# Altium PCB 1166V10.PcbDoc (part 5 of 6)
Units mm, origin at the board's own origin, x right, y up, seen from the top; angles counter-clockwise.
Board outline 155.98 x 100 mm, 8 copper layers (Top Layer, Layer 1, Layer 2, Layer 3, Layer 4, Layer 5, Layer 6, Bottom Layer), stack 1.6 mm thick; 455 components, 271 nets, 1649 pads, 2175 vias.
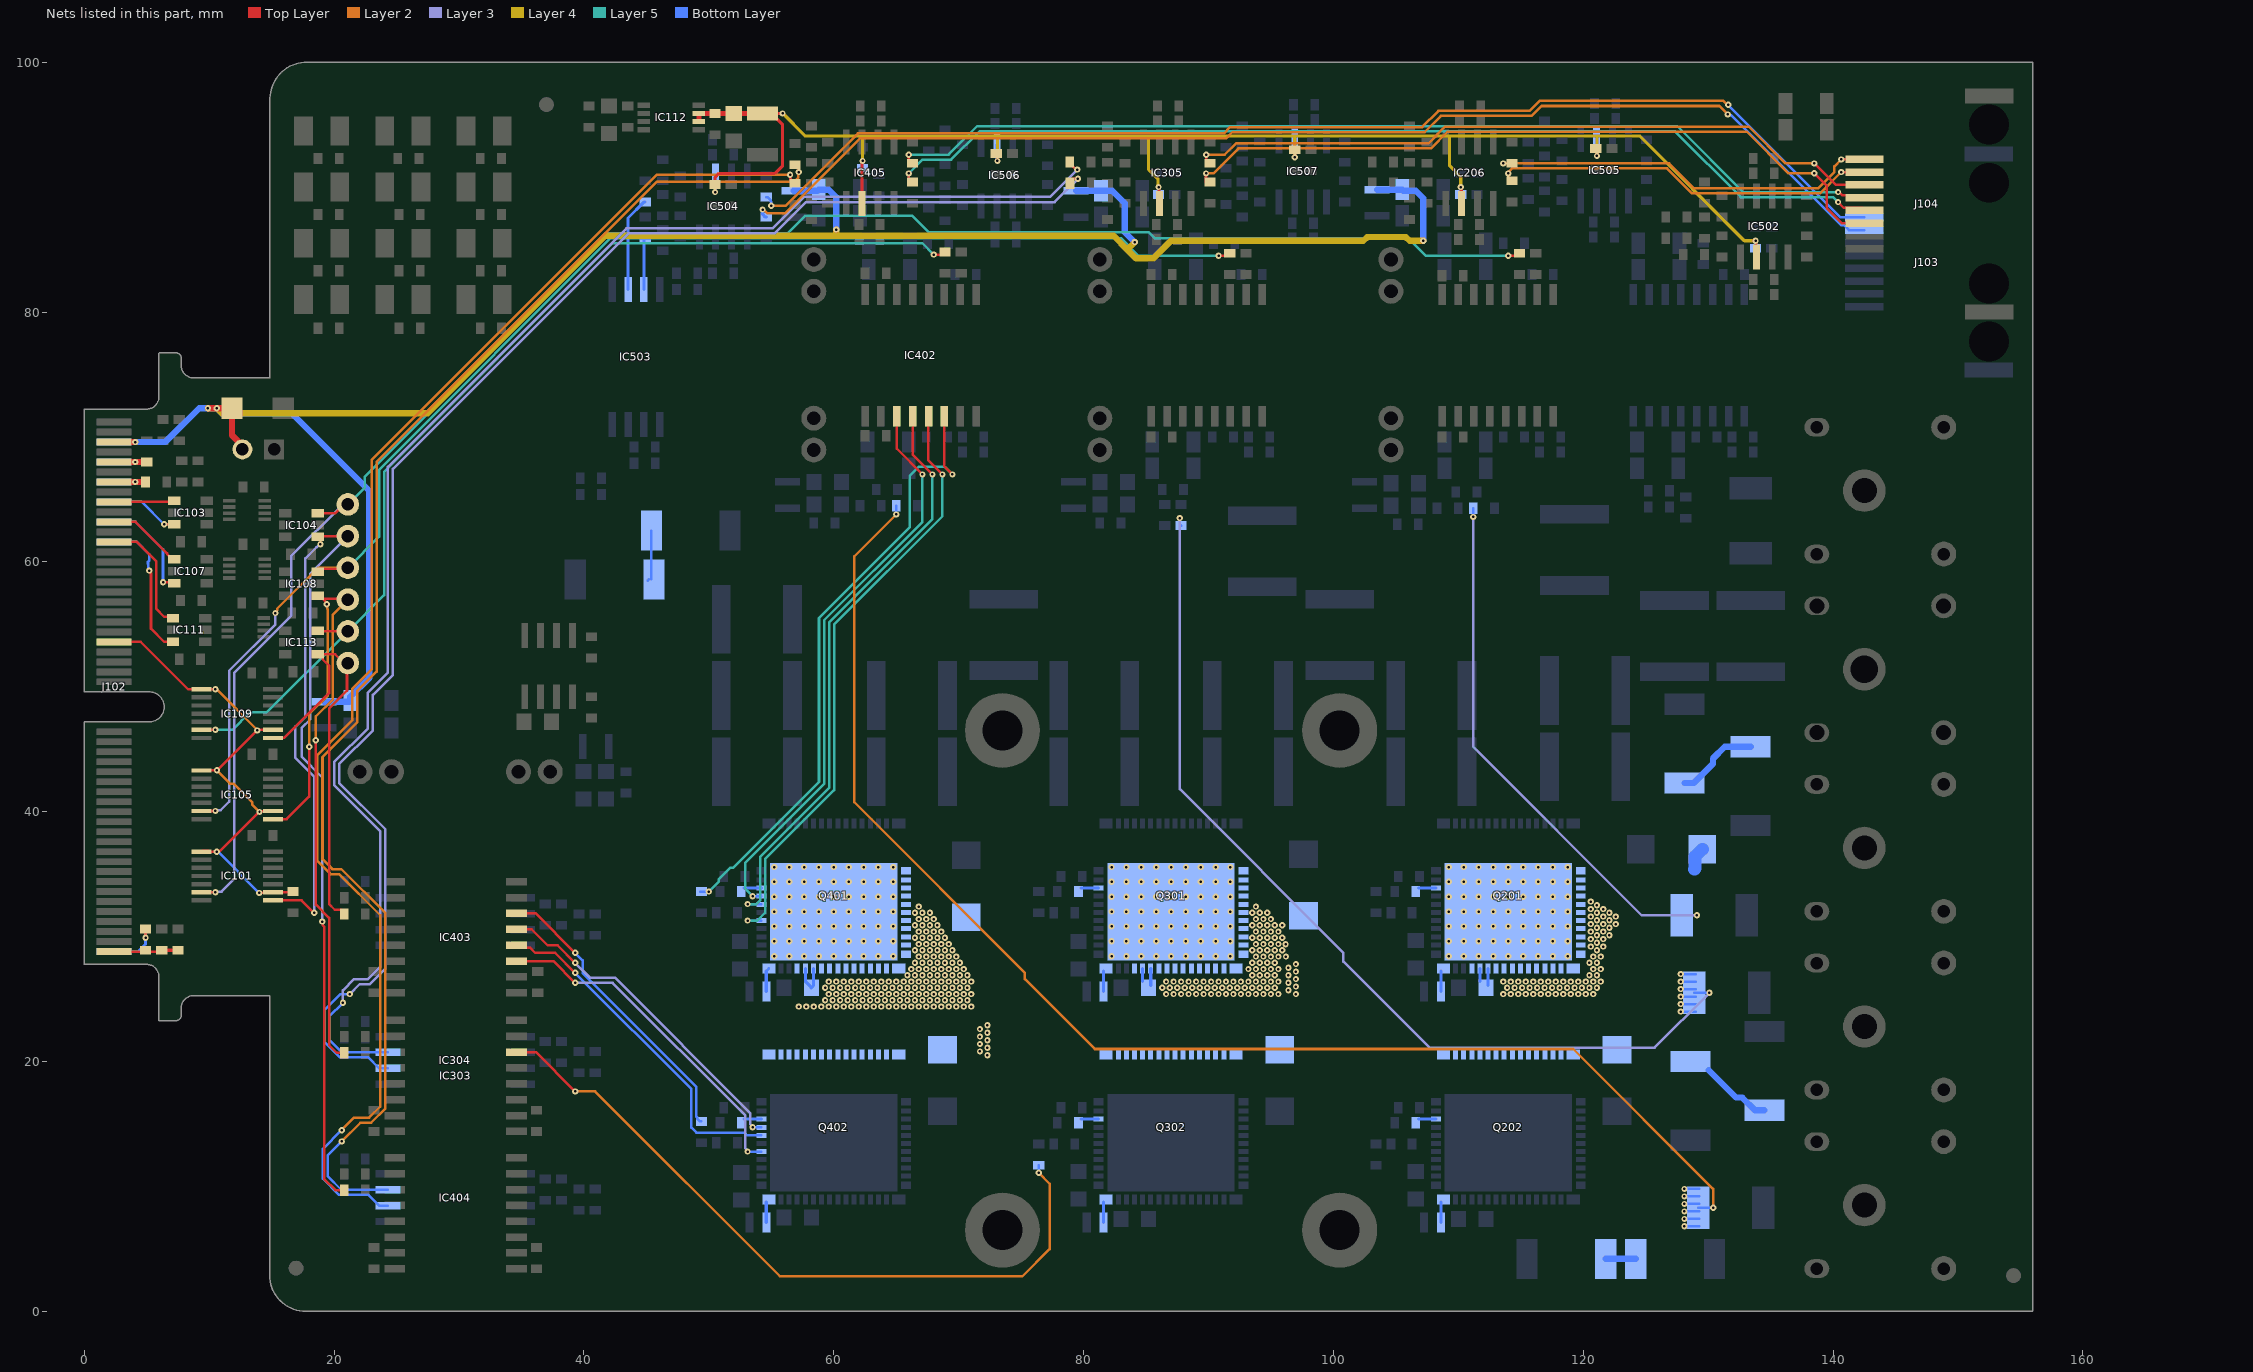
[diagram p11: the nets of this part, all layers, seen from the top]

## Via types
v1: diameter 0.5, hole 0.2, Top Layer to Bottom Layer, 2175 vias

## Nets (pads, with @x,y where several pads share a name; then routed paths per layer and width w, separated by ;. In a path a pad name is that pad's centre, name@x,y a point inside that pad or via, vN(x,y) a via of type N, cw(c..) or ccw(c..) an arc to the next point about the centre after c; other vN are vias at no path point) (continued)
NetIC303_6: IC303.6 R313.2 | length 58.1
  Top Layer w0.203: IC303.6@34.6,20.75 36.15,20.75 v1(39.3,17.6)
  Layer 2 w0.203: v1(39.3,17.6) 40.9,17.6 55.694,2.806 75.106,2.806 77.287,4.987 77.287,10.213 v1(76.4,11.1)
  Bottom Layer w0.203: v1(76.4,11.1) R313.2@76.4,11.7
NetIC304_6: IC304.6 R323.1 | length 123.4
  Top Layer w0.203: R323.1@78.91,90.3 78.91,90.4 79.158,90.648 79.533,90.648 v1(79.548,90.663)
  Layer 3 w0.203: v1(21.255,25.4) 22.048,26.194 22.868,26.194 24.106,27.432 24.106,38.594 20.4,42.3 20.4,43.8 23.106,46.506 23.106,49.357 24.706,50.957 24.706,67.432 43.568,86.294 55.268,86.294 57.775,88.8 77.685,88.8 v1(79.548,90.663)
  Bottom Layer w0.203: v1(21.255,25.4) 20.5,25.4 19.194,24.094 19.194,21.606 20.476,20.324 22.736,20.324 23.6,19.46 IC304.6@24.3,19.46
NetIC304_7: IC304.7 R318.1 | length 122.6
  Top Layer w0.203: R318.1@78.9,92 78.9,91.9 79.343,91.457 79.443,91.457 v1(79.5,91.4)
  Layer 3 w0.203: v1(20.7,24.7) 20.7,25.7 21.6,26.6 22.7,26.6 23.7,27.6 23.7,38.425 19.994,42.132 19.994,43.968 22.7,46.675 22.7,49.525 24.3,51.125 24.3,67.6 43.4,86.7 55.1,86.7 57.615,89.215 77.315,89.215 v1(79.5,91.4)
  Bottom Layer w0.203: v1(20.7,24.7) 19.6,23.6 19.6,21.775 20.645,20.73 IC304.7@24.3,20.73
NetIC402_3: IC402.3 Q401.51 | length 46.1
  Top Layer w0.203: IC402.3@65.04,71.7 65.04,69.06 v1(67.1,67)
  Layer 5 w0.203: v1(53.5,33.235) 52.9,33.835 52.9,35.9 59.222,42.222 59.222,55.322 67.1,63.2 v1(67.1,67)
  Bottom Layer w0.203: v1(53.5,33.235) Q401.51@54.185,33.235
NetIC402_4: IC402.4 Q401.50 | length 47.4
  Top Layer w0.203: IC402.4@66.31,71.7 66.31,68.59 v1(67.9,67)
  Layer 5 w0.203: v1(53.1,32.6) 53.8,32.6 54.1,32.9 54.1,36.375 59.629,41.904 59.629,55.154 67.9,63.425 v1(67.9,67)
  Bottom Layer w0.203: v1(53.1,32.6) 54.185,32.6 Q401.50@54.2,32.585
NetIC402_5: IC402.5 Q401.48 | length 48.9
  Top Layer w0.203: IC402.5@67.58,71.7 67.58,68.12 v1(68.7,67)
  Layer 5 w0.203: v1(53.1,31.285) 53.885,31.285 54.506,31.906 54.506,36.206 60.035,41.735 60.035,54.986 68.7,63.651 v1(68.7,67)
  Bottom Layer w0.203: v1(53.1,31.285) Q401.48@54.185,31.285
NetIC402_6: IC402.6 R406.2 | length 49.7
  Top Layer w0.203: IC402.6@68.875,71.675 68.85,71.7 68.85,67.65 v1(69.5,67)
  Layer 5 w0.203: v1(50,33.6) 50.778,34.378 50.778,34.578 51.7,35.5 51.925,35.5 58.816,42.391 58.816,55.491 66.1,62.775 66.1,66.9 66.8,67.6 68.9,67.6 v1(69.5,67)
  Bottom Layer w0.203: R406.2@49.3,33.6 R406.2@49.4,33.6 v1(50,33.6)
NetIC403_3: IC403.3 Q402.48 | length 27.5
  Top Layer w0.203: IC403.3@34.6,28.04 37.56,28.04 v1(39.3,26.3)
  Layer 3 w0.203: v1(39.3,26.3) 42.3,26.3 52.9,15.7 52.9,13.065 53.1,12.865 v1(53.1,12.785)
  Bottom Layer w0.203: v1(53.1,12.785) Q402.48@54.185,12.785
NetIC403_4: IC403.4 Q402.50 | length 27.7
  Top Layer w0.203: IC403.4@34.6,29.31 34.798,29.112 35.688,29.112 36.1,28.7 37.7,28.7 v1(39.3,27.1)
  Bottom Layer w0.203: v1(39.3,27.1) 48.6,17.8 48.6,14.7 49,14.3 52.82,14.3 53.02,14.1 53.1,14.1 54.185,14.1 Q402.50@54.2,14.085
NetIC403_5: IC403.5 Q402.51 | length 26.7
  Top Layer w0.203: IC403.5@34.6,30.58 35.82,30.58 37.1,29.3 37.9,29.3 v1(39.3,27.9)
  Layer 3 w0.203: v1(39.3,27.9) 40.494,26.706 42.468,26.706 53.306,15.868 53.306,15.009 53.5,14.815 v1(53.5,14.735)
  Bottom Layer w0.203: v1(53.5,14.735) Q402.51@54.185,14.735
NetIC403_6: IC403.6 R413.2 | length 23.7
  Top Layer w0.203: IC403.6@34.6,31.85 36.15,31.85 v1(39.3,28.7)
  Bottom Layer w0.203: v1(39.3,28.7) 39.9,28.1 39.9,27.075 49.006,17.968 49.006,15.594 49.052,15.548 49.052,15.448 49.3,15.2 R413.2@49.4,15.2
NetIC404_6: IC404.6 R423.1 | length 114.4
  Top Layer w0.203: v1(56.5,90.997) 56.5,90.7 56.552,90.648 56.552,90.548 56.8,90.3 R423.1@56.9,90.3
  Layer 2 w0.203: v1(20.6,14.5) 21.6,15.5 22.8,15.5 23.694,16.394 23.694,31.706 20.4,35 19.7,35 18.662,36.038 18.662,44.537 21.462,47.337 21.462,49.851 23,51.389 23,68.154 45.842,90.997 v1(56.5,90.997)
  Bottom Layer w0.203: v1(20.6,14.5) 19.094,12.994 19.094,10.632 20.402,9.324 22.736,9.324 23.6,8.46 IC404.6@24.3,8.46
NetIC404_7: IC404.7 R418.1 | length 113.5
  Top Layer w0.203: R418.1@56.9,91.8 56.952,91.8 57.2,91.552 v1(57.2,91.2)
  Layer 2 w0.203: v1(20.6,13.6) 22.094,15.094 22.968,15.094 24.1,16.225 24.1,31.875 20.568,35.406 19.868,35.406 19.068,36.207 19.068,44.368 21.868,47.168 21.868,49.683 23.406,51.221 23.406,67.986 45.862,90.442 56.842,90.442 57.143,90.743 57.143,91.143 v1(57.2,91.2)
  Bottom Layer w0.203: v1(20.6,13.6) 19.5,12.5 19.5,10.8 20.57,9.73 IC404.7@24.3,9.73
NetIC503_6: IC503.6 R521.1 | length 7.6
  Bottom Layer w0.254: IC503.6@43.53,81.8 43.53,87.53 44.8,88.8 R521.1@44.9,88.8
NetIC503_7: IC503.7 R515.1 | length 4.1
  Bottom Layer w0.254: IC503.7@44.8,81.8 44.8,85.8 R515.1@44.9,85.9
NetJ102_99: J102.99 R102.2 R103.1 R104.2 | length 5.2
  Top Layer w0.203: J102.99@2.386,28.796 6.096,28.796 R102.2@6.2,28.9
  Top Layer w0.254: R102.2@6.2,28.9 R104.2@7.5,28.9
NetJ102_100: J102.100 R103.2 | length 4
  Top Layer w0.203: v1(4.9,29.9) R103.2@4.9,30.6
  Bottom Layer w0.203: J102.100@2.386,28.796 4.296,28.796 4.9,29.4 v1(4.9,29.9)
NetL203_2: L203.2 Q201.43 | length 1.6
  Bottom Layer w0.254: L203.2@108.6,25.6 Q201.43@108.6,27.25
NetL206_2: L206.2 Q202.43 | length 1.6
  Bottom Layer w0.254: L206.2@108.6,7.1 Q202.43@108.6,8.75
NetL303_2: L303.2 Q301.43 | length 1.6
  Bottom Layer w0.254: L303.2@81.6,25.6 Q301.43@81.6,27.25
NetL304_2: L304.2 Q302.43 | length 1.6
  Bottom Layer w0.254: L304.2@81.6,7.1 Q302.43@81.6,8.75
NetL403_2: L403.2 Q401.43 | length 1.9
  Bottom Layer w0.203: Q401.43@54.6,27.25 Q401.43@54.8,27.45
  Bottom Layer w0.254: L403.2@54.6,25.6 Q401.43@54.6,27.25
NetL404_2: L404.2 Q402.43 | length 1.6
  Bottom Layer w0.254: L404.2@54.6,7.1 Q402.43@54.6,8.75
NetQ201_52: Q201.52 R205.1 | length 1.4
  Bottom Layer w0.254: R205.1@106.8,33.885 Q201.52@108.2,33.885
NetQ202_52: Q202.52 R212.1 | length 1.4
  Bottom Layer w0.254: R212.1@106.8,15.385 Q202.52@108.2,15.385
NetQ301_52: Q301.52 R305.1 | length 1.4
  Bottom Layer w0.254: R305.1@79.8,33.885 Q301.52@81.2,33.885
NetQ302_52: Q302.52 R312.1 | length 1.4
  Bottom Layer w0.254: R312.1@79.8,15.385 Q302.52@81.2,15.385
NetQ401_52: Q401.52 R405.1 | length 1.4
  Bottom Layer w0.254: R405.1@52.8,33.885 Q401.52@54.2,33.885
NetQ402_52: Q402.52 R412.1 | length 1.4
  Bottom Layer w0.254: R412.1@52.8,15.385 Q402.52@54.2,15.385
NetR219_2: R219.2 R220.1 | length 6.7
  Bottom Layer w0.508: R219.2@128.1,42.3 128.85,42.3 130.387,43.837 130.387,44.259 131.328,45.2 R220.1@133.4,45.2
NetR319_2: R319.2 R320.1 | length 5.8
  Bottom Layer w0.508: R319.2@130.046,19.304 132.239,17.111 132.739,17.111 133.75,16.1 R320.1@134.5,16.1
NetR419_2: R419.2 R420.1 | length 2.4
  Bottom Layer w0.508: R419.2@121.8,4.2 R420.1@124.2,4.2
NetR511_1: R511.1 R512.2 | length 4
  Bottom Layer w0.203: R512.2@45.1,58.5 R512.2@45.2,58.6 ; R512.2@45.4,58.6 R511.1@45.4,62.5
P3V3: J102.13 J102.14 L103.1 | length 4.2
  Top Layer w0.508: J102.13@2.386,66.395 2.389,66.398 4.898,66.398 L103.1@4.9,66.4
  Bottom Layer w0.508: J102.14@2.386,66.395 v1@4.069,66.395
  other v1: 4.071,66.393
P5V: J102.9 J102.10 L102.1 | length 4.3
  Top Layer w0.508: J102.9@2.386,67.995 2.389,67.998 4.998,67.998 L102.1@5,68
  Bottom Layer w0.508: J102.10@2.386,67.995 v1@4.069,67.995
  other v1: 4.071,67.993
P24V: C206.2 C222.2 C306.2 C406.2 D101.2 J101.2 J102.5 J102.6 L201.1 L204.1 L301.1 L401.1 | length 178.8
  Top Layer w0.254: v1@4.069,69.595 v1(4.071,69.593)
  Top Layer w0.508: J102.5@2.386,69.595 v1@4.069,69.595 ; v1(9.9,72.3) v1(10.6,72.3) D101.2@11.823,72.3 11.823,70.132 12.66,69.295 J101.2@12.66,69
  Layer 4 w0.508: v1(9.9,72.3) v1(10.6,72.3) 11,71.9 27.5,71.9 41.7,86.1 60.2,86.1 ; v1(60.2,86.6) 60.2,86.1 ; v1(84.1,85.6) 83.5,85 ; v1(107.2,85.7) 106.1,85.7 105.8,86 102.7,86 102.4,85.7 87,85.7 85.6,84.3 84.2,84.3 83.5,85 ; 60.2,86.1 82.4,86.1 83.5,85
  Bottom Layer w0.254: v1@4.069,69.595 v1(4.071,69.593)
  Bottom Layer w0.508: J102.6@2.386,69.595 v1@4.069,69.595 ; v1(4.071,69.593) 6.493,69.593 9.2,72.3 v1(9.9,72.3) v1(10.6,72.3) 11,71.9 16.6,71.9 22.8,65.7 22.8,50.7 21.3,49.2 C222.2@21.3,48.9 21.2,48.8 L204.1@19.2,48.8 ; L401.1@56.8,89.7 58.7,89.7 C406.2@58.8,89.8 59.6,89.8 60.2,89.2 v1(60.2,86.6) ; L301.1@79.4,89.7 C306.2@81.4,89.7 82.3,89.7 83.3,88.7 83.3,86.4 v1(84.1,85.6) ; L201.1@103.5,89.8 C206.2@105.5,89.8 105.6,89.7 106.6,89.7 107.2,89.1 v1(107.2,85.7)
PWM_EN: IC101.1 IC101.9 IC105.1 IC105.9 IC109.1 IC109.9 J102.45 R101.1 | length 41
  Top Layer w0.203: J102.45@2.386,53.596 4.52,53.596 8.315,49.8 IC109.1@9.4,49.8 9.402,49.802 10.498,49.802 v1(10.5,49.803) ; IC101.1@9.4,36.8 9.473,36.873 9.873,36.873 9.947,36.8 v1(10.6,36.8) 10.657,36.857 10.857,36.857 13.975,39.975 v1(14.025,39.975) ; IC105.1@9.4,43.3 10.6,43.3 10.624,43.3 13.822,46.499 v1(13.846,46.499) ; v1@13.85,46.55 IC109.9@15.1,46.55 ; v1(14,33.497) 14.027,33.523 15.073,33.523 IC101.9@15.1,33.55 16.65,33.55 R101.1@16.7,33.6 ; v1@14,40 14.025,40.025 15.075,40.025 IC105.9@15.1,40.05
  Layer 2 w0.203: v1(10.5,49.803) 10.557,49.746 10.654,49.746 13.846,46.554 v1(13.846,46.499) ; v1(10.617,43.317) 10.617,43.283 11.657,42.243 11.942,42.243 13.455,40.729 13.455,40.545 v1(14.025,39.975)
  Bottom Layer w0.203: v1(10.6,36.8) 10.7,36.8 14,33.5 v1(14,33.497)
PWM_H1: IC101.6 IC104.3 R208.2 TP101.1 | length 145
  Top Layer w0.203: IC101.6@9.4,33.55 v1(10.5,33.55) ; IC104.3@18.691,63.9 20.096,63.9 20.796,64.6 TP101.1@21.1,64.6 ; v1(114,84.5) 114.7,84.5 R208.2@114.9,84.7
  Layer 3 w0.203: v1(10.5,33.55) 10.557,33.607 10.991,33.607 12,34.615 12,51.112 16.558,55.67 16.558,60.458 20.7,64.6 TP101.1@21.1,64.6
  Layer 5 w0.203: TP101.1@21.1,64.6 22.465,65.965 22.465,66.815 41.968,86.318 56.318,86.318 57.7,87.7 66.3,87.7 67.6,86.4 85.2,86.4 85.7,85.9 106,85.9 107.4,84.5 v1(114,84.5)
PWM_H1#: IC103.1 J102.17 | length 4.9
  Top Layer w0.203: J102.17@2.386,64.796 7.096,64.796 IC103.1@7.2,64.9
PWM_H2: IC105.6 IC108.3 R308.2 TP103.1 | length 114.4
  Top Layer w0.203: IC105.6@9.4,40.05 9.402,40.052 10.498,40.052 v1(10.5,40.055) ; IC108.3@18.691,59.2 18.932,59.441 21.021,59.441 TP103.1@21.1,59.52 ; v1(90.8,84.5) 91.5,84.5 R308.2@91.7,84.7
  Layer 2 w0.203: v1(15.3,55.9) 15.3,55.98 15.448,56.129 15.448,56.248 18.72,59.52 TP103.1@21.1,59.52
  Layer 3 w0.203: v1(10.5,40.055) 10.557,40.112 10.912,40.112 11.594,40.794 11.594,51.281 15.3,54.987 v1(15.3,55.9)
  Layer 5 w0.203: TP103.1@21.1,59.52 23.594,62.014 23.594,67.368 42.136,85.911 82.989,85.911 84.4,84.5 v1(90.8,84.5)
PWM_H2#: IC107.1 J102.21 | length 6.1
  Top Layer w0.203: J102.21@2.386,63.196 4.104,63.196 6.624,60.676 6.624,60.624 7.048,60.2 IC107.1@7.2,60.2
PWM_H3: IC109.6 IC113.3 R408.2 TP105.1 | length 84.3
  Top Layer w0.203: IC109.6@9.4,46.55 v1(10.5,46.55) ; IC113.3@18.691,54.5 18.751,54.44 TP105.1@21.1,54.44 ; v1(68,84.6) 68.7,84.6 R408.2@68.9,84.8
  Layer 5 w0.203: v1(10.5,46.55) 11.85,46.55 13.242,47.942 14.602,47.942 TP105.1@21.1,54.44 24,57.34 24,67.2 42.305,85.505 67.095,85.505 v1(68,84.6)
PWM_H3#: IC111.1 J102.25 | length 9.5
  Top Layer w0.203: J102.25@2.386,61.596 4.204,61.596 5.745,60.055 5.745,56.255 6.4,55.6 7,55.6 IC111.1@7.1,55.5
PWM_L1: IC101.8 IC104.1 R214.2 TP102.1 | length 93.5
  Top Layer w0.203: IC101.8@15.1,32.9 17.4,32.9 v1(18.4,31.9) ; v1(18.9,61.4) 18.9,61.786 IC104.1@18.691,61.995 18.756,62.06 TP102.1@21.1,62.06 ; v1(19.045,31.2) 19.102,31.143 19.102,30.892 19.194,30.8 19.194,10.606 20.1,9.7 R214.2@20.8,9.7
  Layer 3 w0.203: v1(18.4,31.9) 18.4,42.8 16.9,44.3 16.9,46.8 17.7,47.6 17.7,60.285 18.57,61.155 18.574,61.155 18.82,61.4 v1(18.9,61.4) ; v1(19.045,31.2) 19.045,42.755 17.4,44.4 17.4,46.7 18.1,47.4 18.1,59.06 TP102.1@21.1,62.06
PWM_L1#: IC103.3 J102.18 | length 5.6
  Top Layer w0.203: v1(6.4,63) 6.405,62.995 IC103.3@7.2,62.995
  Bottom Layer w0.203: J102.18@2.386,64.796 4.604,64.796 v1(6.4,63)
PWM_L2: IC105.8 IC108.1 R314.2 TP104.1 | length 61.5
  Top Layer w0.203: IC105.8@15.1,39.4 16.197,39.4 18,41.203 v1(18,45.2) ; v1(18.53,45.715) 18.545,45.7 18.545,32.555 19.6,31.5 19.6,21.3 20.2,20.7 R314.2@20.8,20.7 ; IC108.1@18.691,57.295 18.843,57.295 IC108.1@19.085,57.054 ; v1(19.4,56.6) 19.343,56.657 19.343,56.795 IC108.1@19.085,57.054 ; TP104.1@21.1,56.98 21.026,57.054 IC108.1@19.085,57.054
  Layer 2 w0.203: v1(18,45.2) 18,47.8 19.5,49.3 19.5,56.2 19.457,56.243 19.457,56.543 v1(19.4,56.6) ; v1(18.53,45.715) 18.53,47.63 19.895,48.995 19.895,55.775 TP104.1@21.1,56.98
PWM_L2#: IC107.3 J102.22 | length 8.4
  Top Layer w0.203: v1(6.3,58.359) 7.136,58.359 IC107.3@7.2,58.295
  Bottom Layer w0.203: J102.22@2.386,63.196 4.104,63.196 6.3,61 v1(6.3,58.359)
PWM_L3: IC109.8 IC113.1 R414.2 TP106.1 | length 33.6
  Top Layer w0.203: IC109.8@15.1,45.9 16,45.9 19.6,49.5 19.6,51.686 19.085,52.201 19.085,52.354 IC113.1@18.843,52.595 ; IC113.1@18.691,52.595 IC113.1@18.843,52.595 ; R414.2@20.8,31.8 20.8,31.9 20.552,32.148 20.052,32.148 19.6,32.6 19.6,48.261 21.029,49.69 21.029,51.829 TP106.1@21.1,51.9 20.786,51.9 20.091,52.595 IC113.1@18.843,52.595
PWM_L3#: IC111.3 J102.26 | length 11.5
  Top Layer w0.203: v1(5.19,59.306) 5.19,59.226 5.339,59.077 5.339,54.661 6.4,53.6 7.095,53.6 IC111.3@7.1,53.595
  Bottom Layer w0.203: J102.26@2.386,61.596 4.204,61.596 5.2,60.6 5.2,60.09 5.1,59.99 5.1,59.849 5.134,59.815 5.134,59.363 v1(5.19,59.306)
Ref_2V5: C103.2 C104.2 C105.2 CF210.1 CF307.1 CF407.1 CF501.1 CF507.1 CF509.1 CF511.1 CF513.1 IC112.6 IC112.7 IC206.2 IC305.2 IC405.2 IC502.2 IC504.2 IC505.2 IC506.2 IC507.2 | length 134.2
  Top Layer w0.254: v1(50.5,89.607) 50.5,90.8 50.8,91.1 55.3,91.1 55.9,91.7 55.9,95 C105.2@55,95.9 ; C105.2@54.3,95.9 C105.2@55,95.9 ; v1(55.9,95.9) C105.2@55,95.9 ; IC405.2@62.27,88.7 62.27,92.07 v1(62.3,92.1) ; CF511.1@73,92.7 73.1,92.6 v1(73.1,92.1) ; v1(86,90) 86.035,89.965 86.035,88.735 IC305.2@86.07,88.7 ; v1(96.9,92.4) CF513.1@96.9,93 ; v1(110.2,90) 110.23,89.97 110.23,88.73 IC206.2@110.26,88.7 ; CF509.1@121,93.1 121.1,93 v1(121.1,92.5) ; v1(133.8,85.7) 133.83,85.67 133.83,84.43 IC502.2@133.86,84.4
  Top Layer w0.381: IC112.6@49.2,95.25 IC112.7@49.2,95.9 C104.2@50.5,95.9 C103.2@52,95.9 C105.2@54.3,95.9
  Layer 4 w0.254: v1(55.9,95.9) 57.7,94.1 62.3,94.1 ; v1(62.3,92.1) 62.3,94.1 ; v1(73.1,92.1) 73.1,94.1 ; v1(86,90) 85.969,90.031 85.969,90.631 85.2,91.4 85.2,94.1 ; v1(96.9,92.4) 96.9,94.1 ; v1(110.2,90) 110.2,90.8 109.3,91.7 109.3,94.1 ; v1(121.1,92.5) 121.1,94 121,94.1 ; v1(133.8,85.7) 132.9,85.7 124.5,94.1 121,94.1 ; 62.3,94.1 73.1,94.1 ; 73.1,94.1 85.2,94.1 ; 85.2,94.1 96.9,94.1 ; 96.9,94.1 109.3,94.1 ; 109.3,94.1 121,94.1
  Bottom Layer w0.254: v1(50.5,89.607) 50.515,89.622 50.515,90.885 IC504.2@50.53,90.9 ; CF407.1@62.3,91.5 v1(62.3,92.1) ; IC506.2@73.06,93.4 73.1,93.36 73.08,93.34 73.08,92.12 v1(73.1,92.1) ; CF307.1@86,89.4 v1(86,90) ; v1(96.9,92.4) IC507.2@96.9,93.7 ; CF210.1@110.2,89.4 v1(110.2,90) ; IC505.2@121.07,93.8 121.085,93.785 121.085,92.515 v1(121.1,92.5) ; CF501.1@133.8,85.1 v1(133.8,85.7)
SW_L1: C210.1 D201.1 D206.2 Q201.17 Q201.18 Q201.19 Q201.20 Q201.21 Q201.22 Q201.23 Q201.24 Q201.25 Q201.26 Q201.27 Q201.28 Q201.29 Q201.30 Q201.31 Q201.32 Q201.33 Q201.34 Q201.35 Q201.36 Q201.37 Q201.38 Q201.39 Q201.40 Q201.55 Q202.1 Q202.2 Q202.3 Q202.4 Q202.5 Q202.6 Q202.7 Q202.8 Q202.9 Q202.10 Q202.11 Q202.12 Q202.13 Q202.14 Q202.15 Q202.16 R209.1 R211.1 | length 48.1
  Layer 3 w0.203: v1(111.2,63.6) 111.2,45.184 124.684,31.7 v1(129.1,31.7)
  Bottom Layer w0.203: v1(111.2,63.6) R209.1@111.2,64.3 ; R211.1@127.9,31.7 v1(129.1,31.7)
  Bottom Layer w0.254: C210.1@111.725,26.425 Q201.39@111.725,27.45 ; C210.1@112.375,26.075 Q201.38@112.375,27.45
  Bottom Layer w1.016: 128.9,35.4 128.948,35.448 128.948,36.408 D201.1@129.54,37
  other v1: 113.6,25.4 114.2,25.4 114.8,25.4 115.4,25.4 116,25.4 116.6,25.4 117.2,25.4 117.8,25.4 118.4,25.4 119,25.4 119.6,25.4 120.2,25.4 120.8,25.4 113.9,25.9 114.5,25.9 115.1,25.9 115.7,25.9 116.3,25.9 116.9,25.9 117.5,25.9 118.1,25.9 118.7,25.9 119.3,25.9 119.9,25.9 120.5,25.9 121.1,25.9 113.6,26.4 114.2,26.4 114.8,26.4 115.4,26.4 116,26.4 116.6,26.4 117.2,26.4 117.8,26.4 118.4,26.4 119,26.4 119.6,26.4 120.2,26.4 120.8,26.4 121.4,26.4 120.5,26.9 121.1,26.9 120.8,27.4 121.4,27.4 120.5,27.9 121.1,27.9 120.8,28.4 121.4,28.4 109.24,28.43 110.43,28.43 111.62,28.43 112.81,28.43 114,28.43 115.19,28.43 116.38,28.43 117.57,28.43 118.76,28.43 121.1,28.9 120.6,29.2 121.6,29.2 121.1,29.5 109.24,29.62 110.43,29.62 111.62,29.62 112.81,29.62 114,29.62 115.19,29.62 116.38,29.62 117.57,29.62 118.76,29.62 120.6,29.8 121.6,29.8 121.1,30.1 122.1,30.1 120.6,30.4 121.6,30.4 121.1,30.7 122.1,30.7 109.24,30.81 110.43,30.81 111.62,30.81 112.81,30.81 114,30.81 115.19,30.81 116.38,30.81 117.57,30.81 118.76,30.81 120.6,31 121.6,31 122.6,31 121.1,31.3 122.1,31.3 120.6,31.6 121.6,31.6 122.6,31.6 121.1,31.9 122.1,31.9 109.24,32 110.43,32 111.62,32 112.81,32 114,32 115.19,32 116.38,32 117.57,32 118.76,32 120.6,32.2 121.6,32.2 121.1,32.5 120.6,32.8 109.24,33.19 110.43,33.19 111.62,33.19 112.81,33.19 114,33.19 115.19,33.19 116.38,33.19 117.57,33.19 118.76,33.19 109.24,34.38 110.43,34.38 111.62,34.38 112.81,34.38 114,34.38 115.19,34.38 116.38,34.38 117.57,34.38 118.76,34.38 109.24,35.57 110.43,35.57 111.62,35.57 112.81,35.57 114,35.57 115.19,35.57 116.38,35.57 117.57,35.57 118.76,35.57
SW_L2: C310.2 D301.1 D306.2 Q301.17 Q301.18 Q301.19 Q301.20 Q301.21 Q301.22 Q301.23 Q301.24 Q301.25 Q301.26 Q301.27 Q301.28 Q301.29 Q301.30 Q301.31 Q301.32 Q301.33 Q301.34 Q301.35 Q301.36 Q301.37 Q301.38 Q301.39 Q301.40 Q301.55 Q302.1 Q302.2 Q302.3 Q302.4 Q302.5 Q302.6 Q302.7 Q302.8 Q302.9 Q302.10 Q302.11 Q302.12 Q302.13 Q302.14 Q302.15 Q302.16 R309.1 R311.1 | length 86.3
  Layer 3 w0.203: v1(87.7,63.5) 87.7,41.8 100.8,28.7 100.8,28 107.694,21.106 125.706,21.106 v1(130.1,25.5)
  Bottom Layer w0.203: v1(87.7,63.5) 87.7,63 R309.1@87.8,62.9 ; v1(127.8,24) R311.1@129,24 ; v1(127.8,24.6) R311.1@129,24.6 ; v1(127.8,25.2) R311.1@129,25.2 ; v1(127.8,25.8) R311.1@129,25.8 ; v1(127.8,26.4) R311.1@129,26.4 ; v1(127.8,27) R311.1@129,27 ; R311.1@128.9,25.5 v1(130.1,25.5)
  Bottom Layer w0.254: C310.2@84.725,26.425 Q301.39@84.725,27.45 ; C310.2@85.375,26.075 Q301.38@85.375,27.45
  other v1: 86.6,25.4 87.2,25.4 87.8,25.4 88.4,25.4 89,25.4 89.6,25.4 90.2,25.4 90.8,25.4 91.4,25.4 92,25.4 92.6,25.4 93.2,25.4 93.8,25.4 94.4,25.4 95,25.4 95.6,25.4 97,25.4 96.4,25.7 86.3,25.9 86.9,25.9 87.5,25.9 88.1,25.9 88.7,25.9 89.3,25.9 89.9,25.9 90.5,25.9 91.1,25.9 91.7,25.9 92.3,25.9 92.9,25.9 93.5,25.9 94.1,25.9 94.7,25.9 95.3,25.9 97,26 96.4,26.3 86.6,26.4 87.2,26.4 87.8,26.4 88.4,26.4 89,26.4 89.6,26.4 90.2,26.4 90.8,26.4 91.4,26.4 92,26.4 92.6,26.4 93.2,26.4 93.8,26.4 94.4,26.4 95,26.4 95.6,26.4 97,26.6 93.5,26.9 94.1,26.9 94.7,26.9 95.3,26.9 96.4,26.9 97,27.2 93.2,27.4 93.8,27.4 94.4,27.4 95,27.4 95.6,27.4 96.4,27.5 97,27.8 93.5,27.9 94.1,27.9 94.7,27.9 95.3,27.9 93.8,28.4 94.4,28.4 95,28.4 95.6,28.4 96.2,28.4 82.24,28.43 83.43,28.43 84.62,28.43 85.81,28.43 87,28.43 88.19,28.43 89.38,28.43 90.57,28.43 91.76,28.43 93.5,28.9 94.1,28.9 94.7,28.9 95.3,28.9 95.9,28.9 93.8,29.4 94.4,29.4 95,29.4 95.6,29.4 96.164,29.39 82.24,29.62 83.43,29.62 84.62,29.62 85.81,29.62 87,29.62 88.19,29.62 89.38,29.62 90.57,29.62 91.76,29.62 93.5,29.9 94.1,29.9 94.7,29.9 95.3,29.9 95.9,29.9 93.8,30.4 94.4,30.4 95,30.4 95.6,30.4 82.24,30.81 83.43,30.81 84.62,30.81 85.81,30.81 87,30.81 88.19,30.81 89.38,30.81 90.57,30.81 91.76,30.81 93.5,30.9 94.1,30.9 94.7,30.9 95.3,30.9 95.9,30.9 93.8,31.4 94.4,31.4 95,31.4 93.5,31.9 94.1,31.9 94.7,31.9 82.24,32 83.43,32 84.62,32 85.81,32 87,32 88.19,32 89.38,32 90.57,32 91.76,32 93.8,32.4 82.24,33.19 83.43,33.19 84.62,33.19 85.81,33.19 87,33.19 88.19,33.19 89.38,33.19 90.57,33.19 91.76,33.19 82.24,34.38 83.43,34.38 84.62,34.38 85.81,34.38 87,34.38 88.19,34.38 89.38,34.38 90.57,34.38 91.76,34.38 82.24,35.57 83.43,35.57 84.62,35.57 85.81,35.57 87,35.57 88.19,35.57 89.38,35.57 90.57,35.57 91.76,35.57
SW_L3: C410.2 D401.1 D406.2 Q401.17 Q401.18 Q401.19 Q401.20 Q401.21 Q401.22 Q401.23 Q401.24 Q401.25 Q401.26 Q401.27 Q401.28 Q401.29 Q401.30 Q401.31 Q401.32 Q401.33 Q401.34 Q401.35 Q401.36 Q401.37 Q401.38 Q401.39 Q401.40 Q401.55 Q402.1 Q402.2 Q402.3 Q402.4 Q402.5 Q402.6 Q402.7 Q402.8 Q402.9 Q402.10 Q402.11 Q402.12 Q402.13 Q402.14 Q402.15 Q402.16 R409.1 R411.1 | length 120.3
  Layer 2 w0.203: v1(65,63.8) 61.648,60.448 61.648,40.752 75.3,27.1 75.3,26.6 80.9,21 119.2,21 130.4,9.8 v1(130.4,8.3)
  Bottom Layer w0.203: v1(65,63.8) R409.1@65,64.5 ; v1(128.1,6.8) R411.1@129.3,6.8 ; v1(128.1,7.4) R411.1@129.3,7.4 ; v1(128.1,8) R411.1@129.3,8 ; v1(128.1,8.6) R411.1@129.3,8.6 ; v1(128.1,9.2) R411.1@129.3,9.2 ; v1(128.1,9.8) R411.1@129.3,9.8 ; R411.1@129.2,8.3 v1(130.4,8.3)
  Bottom Layer w0.254: Q401.39@57.725,27.45 57.725,26.425 58.2,25.95 C410.2@58.2,25.9 58.375,26.075 Q401.38@58.375,27.45
  other v1: 72.3,20.5 71.7,20.8 72.3,21.1 71.7,21.4 72.3,21.7 71.7,22 72.3,22.3 71.7,22.6 72.3,22.9 57.2,24.4 57.8,24.4 58.4,24.4 59,24.4 59.6,24.4 60.2,24.4 60.8,24.4 61.4,24.4 62,24.4 62.6,24.4 63.2,24.4 63.8,24.4 64.4,24.4 65,24.4 65.6,24.4 66.2,24.4 66.8,24.4 67.4,24.4 68,24.4 68.6,24.4 69.2,24.4 69.8,24.4 70.4,24.4 71,24.4 59.3,24.9 59.9,24.9 60.5,24.9 61.1,24.9 61.7,24.9 62.3,24.9 62.9,24.9 63.5,24.9 64.1,24.9 64.7,24.9 65.3,24.9 65.9,24.9 66.5,24.9 67.1,24.9 67.7,24.9 68.3,24.9 68.9,24.9 69.5,24.9 70.1,24.9 70.7,24.9 59.6,25.4 60.2,25.4 60.8,25.4 61.4,25.4 62,25.4 62.6,25.4 63.2,25.4 63.8,25.4 64.4,25.4 65,25.4 65.6,25.4 66.2,25.4 66.8,25.4 67.4,25.4 68,25.4 68.6,25.4 69.2,25.4 69.8,25.4 70.4,25.4 71,25.4 59.3,25.9 59.9,25.9 60.5,25.9 61.1,25.9 61.7,25.9 62.3,25.9 62.9,25.9 63.5,25.9 64.1,25.9 64.7,25.9 65.3,25.9 65.9,25.9 66.5,25.9 67.1,25.9 67.7,25.9 68.3,25.9 68.9,25.9 69.5,25.9 70.1,25.9 70.7,25.9 59.6,26.4 60.2,26.4 60.8,26.4 61.4,26.4 62,26.4 62.6,26.4 63.2,26.4 63.8,26.4 64.4,26.4 65,26.4 65.6,26.4 66.2,26.4 66.8,26.4 67.4,26.4 68,26.4 68.6,26.4 69.2,26.4 69.8,26.4 70.4,26.4 71,26.4 65.9,26.9 66.5,26.9 67.1,26.9 67.7,26.9 68.3,26.9 68.9,26.9 69.5,26.9 70.1,26.9 70.7,26.9 66.2,27.4 66.8,27.4 67.4,27.4 68,27.4 68.6,27.4 69.2,27.4 69.8,27.4 70.4,27.4 66.5,27.9 67.1,27.9 67.7,27.9 68.3,27.9 68.9,27.9 69.5,27.9 70.1,27.9 66.8,28.4 67.4,28.4 68,28.4 68.6,28.4 69.2,28.4 69.8,28.4 55.24,28.43 56.43,28.43 57.62,28.43 58.81,28.43 60,28.43 61.19,28.43 62.38,28.43 63.57,28.43 64.76,28.43 66.5,28.9 67.1,28.9 67.7,28.9 68.3,28.9 68.9,28.9 69.5,28.9 66.8,29.4 67.4,29.4 68,29.4 68.6,29.4 69.2,29.4 55.24,29.62 56.43,29.62 57.62,29.62 58.81,29.62 60,29.62 61.19,29.62 62.38,29.62 63.57,29.62 64.76,29.62 66.5,29.9 67.1,29.9 67.7,29.9 68.3,29.9 68.9,29.9 66.8,30.4 67.4,30.4 68,30.4 68.6,30.4 55.24,30.81 56.43,30.81 57.62,30.81 58.81,30.81 60,30.81 61.19,30.81 62.38,30.81 63.57,30.81 64.76,30.81 66.5,30.9 67.1,30.9 67.7,30.9 68.3,30.9 66.8,31.4 67.4,31.4 68,31.4 66.5,31.9 67.1,31.9 67.7,31.9 55.24,32 56.43,32 57.62,32 58.81,32 60,32 61.19,32 62.38,32 63.57,32 64.76,32 66.8,32.4 55.24,33.19 56.43,33.19 57.62,33.19 58.81,33.19 60,33.19 61.19,33.19 62.38,33.19 63.57,33.19 64.76,33.19 55.24,34.38 56.43,34.38 57.62,34.38 58.81,34.38 60,34.38 61.19,34.38 62.38,34.38 63.57,34.38 64.76,34.38 55.24,35.57 56.43,35.57 57.62,35.57 58.81,35.57 60,35.57 61.19,35.57 62.38,35.57 63.57,35.57 64.76,35.57